# KiCad board Panel2.kicad_pcb (continued)
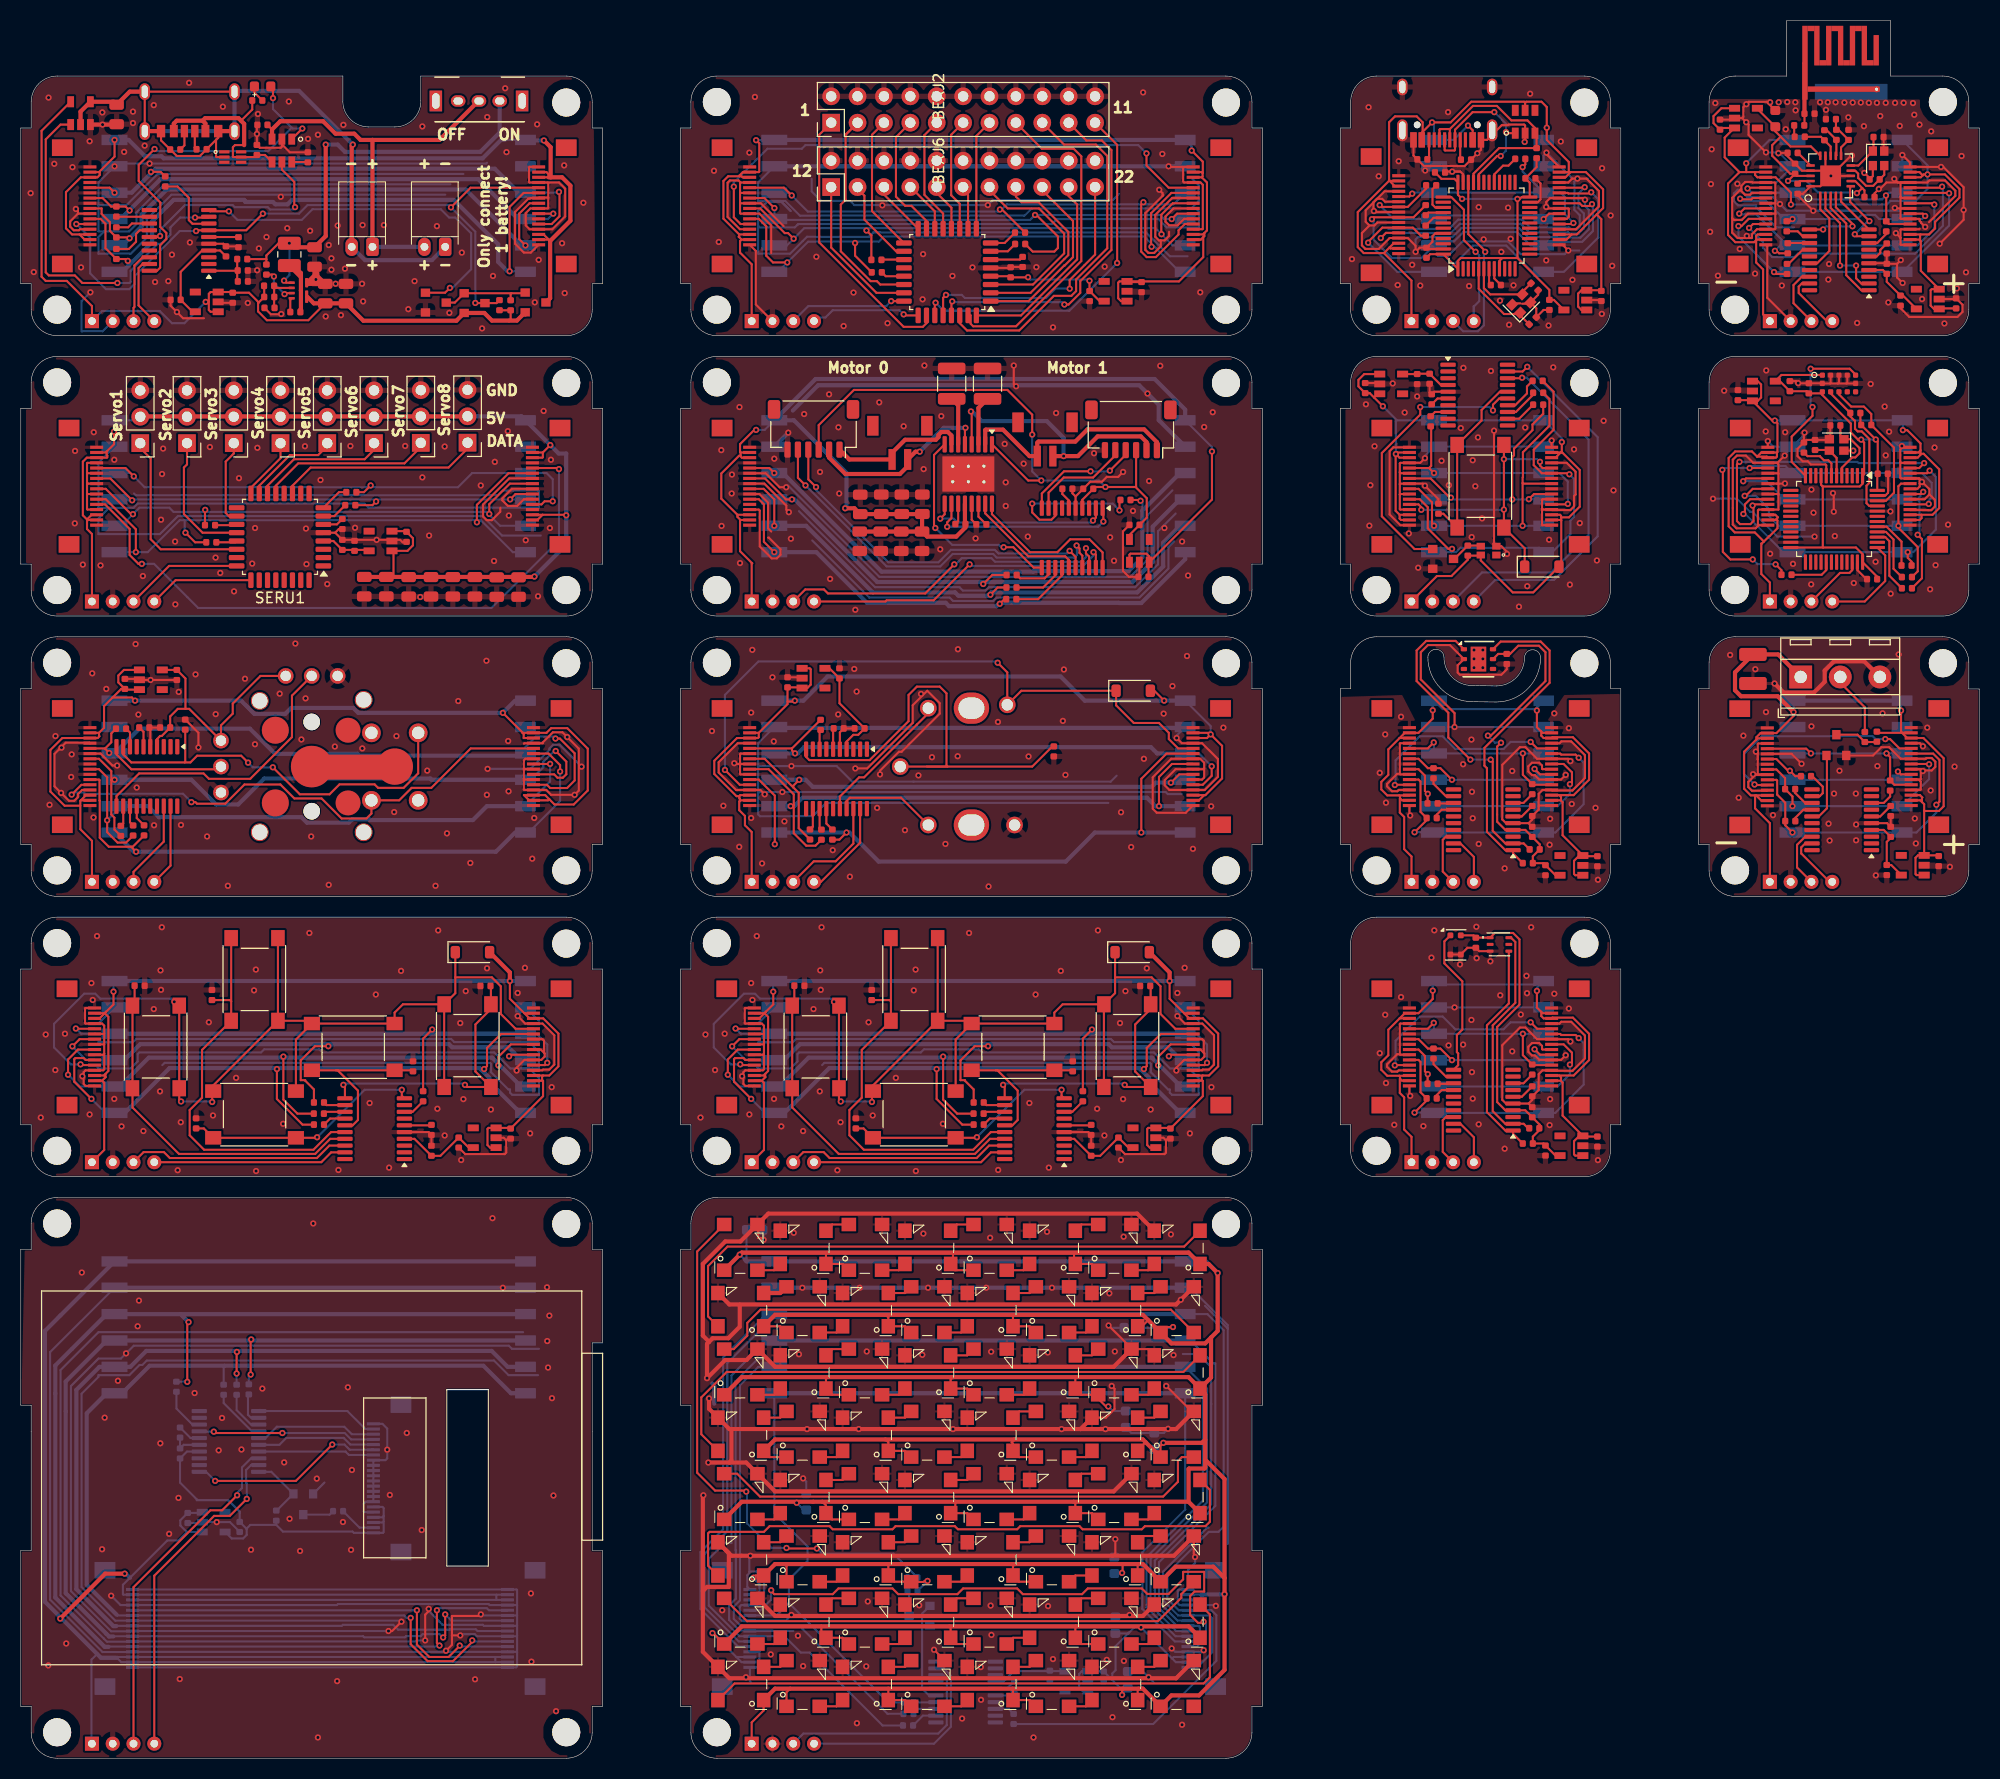
[diagram p0: board, top side]
## Routing (per net, layer and track width the routed paths; a pad name or vN(x,y) marks a point on that pad's centre or on a via; arc(x,y) is an arc through that point) (continued)
BEX_P8: length 18.3
  Top w0.2: BEXU1.2 97.19,141.12 100.83,144.76 100.83,146.99 97.97,149.85 96.33,149.85 95.78,150.4 95.78,151
BEX_P9: length 17.3
  Top w0.2: BEXU1.1 97,140.32 100.42,143.75 100.47,143.75 101.28,144.56 101.28,148.04 98.32,151
BEX_P10: length 18.9
  Top w0.2: BEXU1.32 96.28,138.95 101.67,144.35 101.67,149.62 100.86,150.44 100.86,151
BEX_P11: length 26.6
  Top w0.2: 78,157.5 76.85,156.35 76.85,145.97 84.97,137.85 86.82,137.85 87.17,138.2 BEXU1.26
BEX_P12: length 22.1
  Top w0.2: BEXJ2.3 79.39,156.36 79.39,150.1 79.39,150.09 78.92,149.62 78.92,145.12 81.8,142.25 82.4,142.25 82.72,141.93 BEXU1.22 ; 80.54,157.5 79.39,156.35
BEX_P13: length 13.3
  Top w0.2: 83.08,157.5 81.93,156.35 81.93,149 BEXU1.17
BEX_P14: length 12.3
  Top w0.2: 85.62,157.5 84.23,156.12 84.23,150.39 85.12,149.5 85.72,149.5 87.17,148.05 BEXU1.15
BEX_P15: length 11.4
  Top w0.2: 88.16,157.5 86.97,156.31 86.97,150.56 88.78,148.76 88.78,147.3
BEX_P16: length 11
  Top w0.2: 90.7,157.5 89.55,156.35 89.55,150.53 89.56,150.53 89.55,150.52 90.38,149.7 BEXU1.11
BEX_P17: length 10.7
  Top w0.2: BEXU1.9 91.97,156.24 93.24,157.5
BEX_P18: length 32.1
  Top w0.2: 95.78,157.5 98.28,155 101.34,155 102.08,154.27 102.08,144.18 95.79,137.9 91.67,137.9 91.42,138.15 91.42,138.95 BEXU1.31
BEX_P19: length 35.6
  Top w0.2: 98.32,157.5 100.42,155.4 103.48,155.4 104.58,154.31 104.58,145.41 101.58,142.41 101.58,141.29 101.12,140.83 99.43,140.83 96.1,137.5 91.08,137.5 90.38,138.2 BEXU1.30
BEX_P20: length 34.5
  Top w0.2: v1(89.65,140.3) 89.58,140.22 BEXU1.29 ; 100.86,157.5 102.56,155.8 104.05,155.8 104.97,154.88 104.97,145.25 101.98,142.25 101.98,141.13 100.85,140 v1(100.45,140)
  Bottom w0.2: v1(100.45,140) 100.22,140.22 89.72,140.22 v1(89.65,140.3)
BEX_P21: length 25.4
  Top w0.2: 103.41,151.31 103.41,144.81 100.96,142.36 v1(100.96,141.52) ; v1(89.05,140.93) 88.78,140.65 88.78,138.95 88.87,139.05
  Bottom w0.2: v1(89.05,140.93) 90.58,140.93 90.88,140.62 98.67,140.62 99.57,141.52 v1(100.96,141.52)
BEX_P22: length 35.3
  Top w0.2: v1(88.05,140.18) 87.97,140.1 BEXU1.27 ; 103.4,157.5 105.53,155.38 v1(105.53,144)
  Bottom w0.2: v1(88.05,140.18) 88.83,139.4 100.92,139.4 v1(105.53,144)
BEX_PS: length 60.8
  Top w0.2: v1(74.2,150.5) 73.45,151.25 BEXJ5.5 ; v1(94.24,149.15) 94.44,149.15 BEXR8.2 ; BEXJ7.5 112.04,147.75 111.44,147.15 111.44,146.75 109.25,144.56 108.37,144.56 107.84,145.1 107.84,149.64 v1(108.05,149.85)
  Bottom w0.2: 108.35,149.65 94.9,149.65 94.4,149.15 v1(94.24,149.15) 94.04,148.95 75.75,148.95 v1(74.2,150.5) 73.93,150.77 BEXJ1.3 ; 108.35,149.65 110.95,149.65 BEXJ3.4 ; 108.35,149.65 108.25,149.65 v1(108.05,149.85)
BEX_SCLK: length 54
  Top w0.2: BEXJ5.7 71.58,150.25 v1(72.54,149.29) ; BEXR5.2 97.4,145.1 99.48,145.1 99.83,145.45 99.83,146.55 97.75,148.62 v1(97.62,148.62) ; BEXJ7.7 111.3,148.75 v1(110.78,148.23)
  Bottom w0.2: BEXJ3.3 v1(110.78,148.23) 110.05,148.23 109.66,148.62 v1(97.62,148.62) ; 97.6,148.43 97.62,148.45 v1(97.62,148.62) ; v1(72.54,149.29) 72.54,148.24 BEXJ1.4 72.61,148.15 97.15,148.15 v1(97.62,148.62)
BEX_SWDCLK: length 10.7
  Top w0.2: BEXU1.25 85.08,138.95 v1(84.97,139.05)
  Bottom w0.2: BEXJ4.4 76.7,138.75 77.45,138.75 78.15,139.45 84.58,139.45 v1(84.97,139.05)
BEX_SWDIO: length 11.4
  Top w0.2: BEXU1.24 v1(83.78,140.32)
  Bottom w0.2: v1(83.78,140.32) 83.3,139.85 75.8,139.85 BEXJ4.3
BEX_VDD: length 12.6
  Top w0.2: BEXU1.4 95.17,142.72 BEXC4.1 96.94,142.62 v1(96.95,142.62) ; 102.88,141.3 103.84,140.32 BEXU2.5 ; 102.88,141.3 102.86,141.31 v1(102.86,142.29) ; 102.88,141.3 102.83,141.25
  Bottom w0.2: v1(96.95,142.62) 97.17,142.4 102.75,142.4 v1(102.86,142.29)
BLK_5V: length 92.8
  Top w0.2: BLKJ4.1 71.53,58.58 71.53,65.05 71.33,65.25 ; 111.97,71.75 110.58,73.14 v1(110.58,74.85) ; 111.97,71.75 BLKJ3.15 ; 111.97,71.75 112.47,71.25 BLKJ3.14 113.79,71.25 115.25,69.79 115.25,66.64 114.36,65.75 113.77,65.75 ; 71.33,65.25 71.67,65.6 71.65,65.63 71.65,65.9 ; 71.33,65.25 BLKJ5.15 ; BLKU2.1 108.67,58.81 108.42,59.06 108.42,60.61 108.52,60.7 BLKU2.3 110.58,60.7 BLKC8.1 113.77,63.76 113.77,65.23 113.67,65.33 ; 71.72,71.89 72.42,72.59 v1(72.42,73.83) ; 71.72,71.89 71.08,71.25 BLKJ5.3 ; 71.72,71.89 71.58,71.75 ; 71.58,71.75 71.93,71.4 71.93,66.18 71.65,65.9 ; 71.58,71.75 BLKJ5.2 ; 113.67,65.33 113.6,65.25 BLKJ3.2 ; 113.67,65.33 113.67,65.66 113.77,65.75 ; 113.77,65.75 BLKJ3.3 ; 71.65,65.9 71.5,65.75 BLKJ5.14
  Top w0.4: BLKD2.2 110.58,75.67 v1(110.58,74.85)
  Bottom w0.2: v1(72.42,73.83) 72.42,74.75 BLKJ1.1
  Bottom w0.4: BLKJ1.1 v1(110.58,74.85) BLKJ2.6
BLK_GND: length 181.8
  Top w0.2: 113.86,67.94 113.86,69.11 113.72,69.25 BLKJ3.10 ; 113.86,67.94 113.93,67.87 113.93,67.58 113.6,67.25 BLKJ3.6 111.97,67.25 111.22,66.5 v1(111.22,66.23) ; 113.86,67.94 113.55,68.25 BLKJ3.8 ; 110.22,59.51 109.98,59.75 BLKU2.2 ; 110.22,59.51 110.22,58.33 110.08,58.18 106.28,58.18 BLKC9.2 ; 110.22,59.51 110.39,59.67 BLKC8.2 ; BLKJ5.10 71.43,67.75 71.53,67.85 ; 69.55,65.55 69.55,64.93 69.73,64.75 BLKJ5.16 ; 69.55,65.55 69.55,66.07 69.73,66.25 BLKJ5.13 71.43,66.25 71.53,66.35 71.53,67.85 ; 69.55,65.55 v1(69.42,65.67) ; 71.53,67.85 71.53,68.78 ; BLKJ3.4 113.7,66.25 113.77,66.32 114.37,66.32 114.85,66.8 114.85,69.62 113.72,70.75 BLKJ3.13 112.05,70.75 v1(111.33,71.47) ; 71.53,68.78 71.5,68.75 BLKJ5.8 ; 71.53,68.78 71.53,69.75 ; BLKC2.2 BLKC1.2 102.75,60.3 BLKU3.5 ; BLKJ5.6 71.53,69.75 ; 71.53,69.75 71.53,70.55 71.33,70.75 BLKJ5.4 69.73,70.75 69.68,70.8 69.68,72.2 69.73,72.25 BLKJ5.1
  Bottom w0.2: 111.65,66.43 112.44,66.43 113.38,65.49 113.38,63.89 110.8,63.89 110.59,64.1 110.59,64.4 110.43,64.4 108.77,66.07 108.77,66.87 108.66,66.97 77.34,66.97 77.12,66.75 ; 111.65,66.43 113.38,66.43 113.38,68.03 112.44,68.97 111.65,68.97 ; 111.65,66.43 110.61,66.43 109.08,67.97 92.53,67.97 92.22,68.27 86.92,68.27 86.62,67.97 74.91,67.97 74.76,67.82 74.76,67.11 74.08,66.43 70.97,66.43 70.88,66.53 ; 113.38,71.01 BLKJ2.5 111.33,71.56 v1(111.33,71.47) ; 111.65,68.97 113.38,68.97 ; 111.65,68.97 105.22,68.97 104.92,69.27 74.62,69.27 74.3,68.95 71,68.95 70.97,68.97 ; BLKJ1.2 70.97,70.76
  vias: v1(65.42,61.7) v1(65.9,69.7) v1(66.83,66.28) v1(67.75,69.78) v1(70.12,62) v1(70.3,74.65) v1(70.42,73.03) v1(70.84,79.18) v1(72.5,63.5) v1(73.2,60.85) v1(75.3,60.4) v1(76.3,72.15) v1(76.9,64.22) v1(76.95,75.88) v1(77,74) v1(77.08,80.03) v1(78.6,56.62) v1(78.9,61.25) v1(81.6,70.88) v1(82,61.9) v1(84.22,65.53) v1(85.95,73.95) v1(86.12,75.95) v1(86.15,56.55) v1(88.75,61.1) v1(91.28,79.47) v1(94.08,56.65) v1(97.08,63.1) v1(97.67,73.55) v1(98.95,56.88) v1(100.1,75.83) v1(103.6,62.55) v1(103.67,79.72) v1(104.3,59.97) v1(105.8,70.8) v1(105.89,57.61) v1(106.1,63.47) v1(106.33,73.88) v1(108.38,76.08) v1(108.75,62.47) v1(111.33,73.7) v1(112.03,76.12) v1(112.53,60.17) v1(114.6,64.62)
BLK_Interrupt5V: length 100.5
  Top w0.2: v1(81.92,63.2) 81.92,64.16 BLKSW4.2 82.02,64.79 BLKSW2.2 ; 105.33,75.2 108.84,75.2 109.7,74.34 109.7,71.67 111.12,70.25 BLKJ3.12 ; 105.33,75.2 105.33,73.68 BLKSW6.2 ; 105.33,75.2 BLKD2.1 ; BLKSW2.2 BLKSW2.2 ; BLKSW2.2 91.25,71.02 BLKSW3.2 ; BLKSW4.2 89.98,69.21 BLKSW3.2 ; BLKSW6.2 100.28,72.61 99.48,71.81 BLKSW3.2 BLKSW3.2 ; BLKSW6.2 BLKSW6.2 ; v1(78.92,63.25) 78.75,63.42 BLKSW1.2 BLKSW1.2 78.64,72.48 v1(78.28,72.85) ; BLKJ5.12 69.33,66.75 v1(69.25,66.83)
  Bottom w0.2: v1(81.92,63.2) 81.88,63.25 v1(78.92,63.25) ; v1(78.28,72.85) 77.97,73.15 71.15,73.15 70.67,73.62 69.6,73.62 66.7,70.72 66.7,68.45 68.33,66.83 v1(69.25,66.83)
BLK_MISO: length 63.5
  Top w0.2: v1(109.47,66.72) 109.47,67.55 110.67,68.75 BLKJ3.9 ; BLKR4.2 90.13,62.08 88.78,63.43 v1(88.78,67.57) ; BLKJ5.9 69.01,68.25 68.05,67.29 v1(68.05,65.83)
  Bottom w0.2: BLKJ1.5 69.19,64.69 v1(68.05,65.83)
  Bottom w0.4: BLKJ1.5 73.04,64.69 75.82,67.47 108.87,67.47 111.65,64.69 BLKJ2.2
BLK_MOSI: length 68.3
  Top w0.2: v1(70.3,63.5) 68.65,65.15 68.65,67.33 68.75,67.42 69.56,67.42 69.73,67.25 BLKJ5.11 ; v1(108.1,66.37) 108.38,66.65 108.38,68.4 109.72,69.75 BLKJ3.11 ; BLKR2.2 90.62,61.02 88.15,63.49 v1(88.15,66.37)
  Bottom w0.2: 107.86,66.26 107.97,66.37 v1(108.1,66.37) ; v1(88.15,66.37) 88.15,66.5 88.22,66.57 88.53,66.57 88.62,66.47 ; BLKJ1.6 71.65,62.15 v1(70.3,63.5)
  Bottom w0.4: BLKJ1.6 73.5,62.15 77.83,66.47 107.66,66.47 108.6,65.53 108.6,65.12 111.58,62.15 BLKJ2.1
BLK_Net-(U3-NRST): length 2.6
  Top w0.2: BLKC1.1 102.98,60.95 BLKU3.6
BLK_Net-(U3-PA1): length 2.2
  Top w0.2: BLKU3.8 101.21,62.25 BLKR1.1
BLK_Net-(U3-PA5): length 2.1
  Top w0.2: BLKU3.12 92.94,62.9 BLKR3.1
BLK_Net-(U3-PA6): length 2.1
  Top w0.2: BLKR4.1 92.85,62.25 BLKU3.13
BLK_Net-(U3-PA7): length 2.3
  Top w0.2: BLKR2.1 93.27,61.6 BLKU3.14
BLK_PS: length 57.7
  Top w0.2: BLKR1.2 102.22,69.3 v1(103.1,70.17) ; BLKJ3.5 113.95,66.75 v1(114.17,66.97) ; BLKJ5.5 68.83,70.25 v1(68.8,70.28)
  Bottom w0.2: v1(68.8,70.28) 69.31,69.77 BLKJ1.3 ; v1(103.1,70.17) 103.1,69.82 103.15,69.77 ; v1(114.17,66.97) 114.17,68.74 113.14,69.77 BLKJ2.4
  Bottom w0.4: BLKJ1.3 BLKJ2.4
BLK_SCLK: length 59.6
  Top w0.2: BLKJ5.7 69.16,69.25 v1(68.47,68.56) ; v1(110.5,67.6) 110.65,67.75 BLKJ3.7 ; v1(93.1,68.57) 91.81,68.57 90.44,67.2 90.44,65.3 90.88,65.3 90.88,65.25 91.72,64.41 BLKR3.2
  Bottom w0.2: v1(68.47,68.56) 69.8,67.23 BLKJ1.4 ; 110.92,67.97 110.55,67.6 v1(110.5,67.6)
  Bottom w0.4: 93.67,68.77 75,68.77 73.46,67.23 BLKJ1.4 ; 93.67,68.77 93.3,68.77 v1(93.1,68.57) ; 93.67,68.77 104.72,68.77 105.02,68.47 110.43,68.47 111.67,67.23 BLKJ2.3
BLK_SW1: length 38.8
  Top w0.2: BLKU3.16 93.37,60.3 91.67,58.6 81.14,58.6 79.75,59.99 79.75,62.42 80.94,63.61 80.94,68.22 BLKSW2.1 83.75,72.9 ; 83.75,72.9 83.64,73.02 BLKR5.2 ; 83.75,72.9 BLKSW2.1
BLK_SW2: length 34.7
  Top w0.2: BLKR6.2 74.45,72.81 74.25,72.6 BLKSW1.1 BLKSW1.1 74.25,62.67 78.72,58.2 91.83,58.2 93.28,59.65 BLKU3.17
BLK_SW3: length 26.7
  Top w0.2: v1(106.25,64.85) 106.45,64.64 BLKSW6.1 107.26,66.14 107.26,70.67 108.75,72.16 BLKSW6.1 108.75,74.33 BLKR7.2 ; BLKU3.11 94.7,64.7 v1(94.55,64.85)
  Bottom w0.2: v1(106.25,64.85) 106.12,64.97 94.67,64.97 v1(94.55,64.85)
BLK_SW4: length 17
  Top w0.2: 93.85,66.25 BLKSW3.1 ; 93.85,66.25 94,66.25 95.95,64.3 95.95,61.46 95.44,60.95 BLKU3.15 ; 93.85,66.25 BLKSW3.1 101.15,66.25 BLKR9.2
BLK_SW5: length 23
  Top w0.2: v1(100.17,64.38) 100.17,63.8 BLKU3.10 ; BLKR8.2 81.11,60.66 BLKSW4.1 BLKSW4.1 91.97,59.75 v1(92.02,59.8)
  Bottom w0.2: v1(100.17,64.38) 96.6,64.38 v1(92.02,59.8)
BLK_SWDCLK: length 18.7
  Top w0.2: BLKU3.19 93.38,58.35 92.42,57.4 BLKJ4.4
BLK_SWDIO: length 21.5
  Top w0.2: BLKJ4.3 75.33,58.38 77.28,58.38 77.85,57.8 92,57.8 93.2,59 BLKU3.18
BLK_VDD: length 8.4
  Top w0.2: BLKU3.4 101.39,59.65 BLKC2.1 103.89,58.02 BLKC9.1 106.62,58.81 BLKU2.5
BTS_5V: length 92.8
  Top w0.2: BTSJ4.1 8.03,58.58 8.03,65.05 7.83,65.25 ; 48.47,71.75 47.08,73.14 v1(47.08,74.85) ; 48.47,71.75 BTSJ3.15 ; 48.47,71.75 48.97,71.25 BTSJ3.14 50.29,71.25 51.75,69.79 51.75,66.64 50.86,65.75 50.27,65.75 ; 7.83,65.25 8.18,65.6 8.15,65.63 8.15,65.9 ; 7.83,65.25 BTSJ5.15 ; BTSU2.1 45.17,58.81 44.92,59.06 44.92,60.61 45.02,60.7 BTSU2.3 47.09,60.7 BTSC8.1 50.27,63.76 50.27,65.23 50.17,65.33 ; 8.21,71.89 8.93,72.59 v1(8.93,73.83) ; 8.21,71.89 7.58,71.25 BTSJ5.3 ; 8.21,71.89 8.08,71.75 ; 8.08,71.75 8.43,71.4 8.43,66.18 8.15,65.9 ; 8.08,71.75 BTSJ5.2 ; 50.17,65.33 50.1,65.25 BTSJ3.2 ; 50.17,65.33 50.17,65.66 50.27,65.75 ; 50.27,65.75 BTSJ3.3 ; 8.15,65.9 8,65.75 BTSJ5.14
  Top w0.4: BTSD2.2 47.08,75.67 v1(47.08,74.85)
  Bottom w0.2: v1(8.93,73.83) 8.93,74.75 BTSJ1.1
  Bottom w0.4: BTSJ1.1 v1(47.08,74.85) 48.58,74.85
BTS_GND: length 181.8
  Top w0.2: 50.36,67.94 50.36,69.11 50.22,69.25 BTSJ3.10 ; 50.36,67.94 50.43,67.87 50.43,67.58 50.1,67.25 BTSJ3.6 48.47,67.25 47.73,66.5 v1(47.73,66.23) ; 50.36,67.94 50.05,68.25 BTSJ3.8 ; 46.73,59.51 46.48,59.75 BTSU2.2 ; 46.73,59.51 46.73,58.33 46.58,58.18 42.77,58.18 BTSC9.2 ; 46.73,59.51 46.88,59.67 BTSC8.2 ; BTSJ5.10 7.93,67.75 8.03,67.85 ; 6.05,65.55 6.05,64.93 6.23,64.75 BTSJ5.16 ; 6.05,65.55 6.05,66.07 6.23,66.25 BTSJ5.13 7.93,66.25 8.03,66.35 8.03,67.85 ; 6.05,65.55 v1(5.92,65.67) ; 8.03,67.85 8.03,68.78 ; BTSJ3.4 50.2,66.25 50.27,66.32 50.87,66.32 51.35,66.8 51.35,69.62 50.22,70.75 BTSJ3.13 48.55,70.75 v1(47.83,71.47) ; 8.03,68.78 8,68.75 BTSJ5.8 ; 8.03,68.78 8.03,69.75 ; BTSC2.2 BTSC1.2 39.25,60.3 BTSU3.5 ; BTSJ5.6 8.03,69.75 ; 8.03,69.75 8.03,70.55 7.83,70.75 BTSJ5.4 6.23,70.75 6.18,70.8 6.18,72.2 6.23,72.25 7.11,72.25
  Bottom w0.2: 48.15,66.43 48.94,66.43 49.88,65.49 49.88,63.89 47.3,63.89 47.09,64.1 47.09,64.4 46.93,64.4 45.27,66.07 45.27,66.87 45.16,66.97 13.85,66.97 13.62,66.75 ; 48.15,66.43 49.88,66.43 49.88,68.03 48.94,68.97 48.15,68.97 ; 48.15,66.43 47.12,66.43 45.58,67.97 29.02,67.97 28.73,68.27 23.43,68.27 23.12,67.97 11.41,67.97 11.26,67.82 11.26,67.11 10.57,66.43 7.47,66.43 7.38,66.53 ; 49.88,71.01 48.58,72.31 47.83,71.56 v1(47.83,71.47) ; 48.15,68.97 49.88,68.97 ; 48.15,68.97 41.73,68.97 41.42,69.27 11.12,69.27 10.8,68.95 7.5,68.95 7.47,68.97 ; BTSJ1.2 7.47,70.76
  vias: v1(1.93,61.7) v1(2.4,69.7) v1(3.33,66.28) v1(4.25,69.78) v1(6.62,62) v1(6.8,74.65) v1(6.92,73.03) v1(7.34,79.18) v1(9,63.5) v1(9.7,60.85) v1(11.8,60.4) v1(12.8,72.15) v1(13.45,75.88) v1(13.4,64.22) v1(13.5,74) v1(13.57,80.03) v1(15.1,56.62) v1(15.4,61.25) v1(18.1,70.88) v1(18.5,61.9) v1(20.73,65.53) v1(22.45,73.95) v1(22.62,75.95) v1(22.65,56.55) v1(25.25,61.1) v1(27.77,79.47) v1(30.57,56.65) v1(33.58,63.1) v1(34.17,73.55) v1(35.45,56.88) v1(36.6,75.83) v1(40.1,62.55) v1(40.17,79.72) v1(40.8,59.97) v1(42.3,70.8) v1(42.39,57.61) v1(42.6,63.47) v1(42.83,73.88) v1(44.88,76.08) v1(45.25,62.47) v1(47.83,73.7) v1(48.52,76.12) v1(49.02,60.17) v1(51.1,64.62)
BTS_Interrupt5V: length 100.5
  Top w0.2: v1(18.43,63.2) 18.43,64.16 BTSSW4.2 18.52,64.79 BTSSW2.2 ; 41.83,75.2 45.34,75.2 46.2,74.34 46.2,71.67 47.62,70.25 BTSJ3.12 ; 41.83,75.2 41.83,73.68 BTSSW6.2 ; 41.83,75.2 BTSD2.1 ; BTSSW2.2 BTSSW2.2 ; BTSSW2.2 27.75,71.02 BTSSW3.2 ; BTSSW4.2 26.48,69.21 BTSSW3.2 ; BTSSW6.2 36.78,72.61 35.98,71.81 BTSSW3.2 BTSSW3.2 ; BTSSW6.2 BTSSW6.2 ; v1(15.43,63.25) 15.25,63.42 BTSSW1.2 BTSSW1.2 15.14,72.48 v1(14.78,72.85) ; BTSJ5.12 5.83,66.75 v1(5.75,66.83)
  Bottom w0.2: v1(18.43,63.2) 18.38,63.25 v1(15.43,63.25) ; v1(14.78,72.85) 14.47,73.15 7.65,73.15 7.17,73.62 6.1,73.62 3.2,70.72 3.2,68.45 4.83,66.83 v1(5.75,66.83)
BTS_MISO: length 63.5
  Top w0.2: v1(45.97,66.72) 45.97,67.55 47.17,68.75 BTSJ3.9 ; 28.2,62.08 26.63,62.08 25.27,63.43 v1(25.27,67.57) ; BTSJ5.9 5.51,68.25 4.55,67.29 v1(4.55,65.83)
  Bottom w0.2: BTSJ1.5 5.68,64.69 v1(4.55,65.83)
  Bottom w0.4: BTSJ1.5 9.54,64.69 12.32,67.47 45.37,67.47 48.15,64.69 48.58,64.69
BTS_MOSI: length 68.3
  Top w0.2: v1(6.8,63.5) 5.15,65.15 5.15,67.33 5.25,67.42 6.05,67.42 6.23,67.25 BTSJ5.11 ; v1(44.6,66.37) 44.88,66.65 44.88,68.4 46.23,69.75 BTSJ3.11 ; BTSR2.2 27.12,61.02 24.65,63.49 v1(24.65,66.37)
  Bottom w0.2: 44.36,66.26 44.47,66.37 v1(44.6,66.37) ; v1(24.65,66.37) 24.65,66.5 24.72,66.57 25.02,66.57 25.12,66.47 ; BTSJ1.6 8.15,62.15 v1(6.8,63.5)
  Bottom w0.4: BTSJ1.6 10.01,62.15 14.32,66.47 44.16,66.47 45.1,65.53 45.1,65.12 48.08,62.15 48.58,62.15
BTS_Net-(U3-NRST): length 2.6
  Top w0.2: BTSC1.1 39.48,60.95 BTSU3.6
BTS_Net-(U3-PA1): length 2.2
  Top w0.2: BTSU3.8 37.71,62.25 BTSR1.1
BTS_Net-(U3-PA5): length 2.1
  Top w0.2: BTSU3.12 29.43,62.9 BTSR3.1
BTS_Net-(U3-PA6): length 2.1
  Top w0.2: BTSR4.1 29.35,62.25 BTSU3.13
BTS_Net-(U3-PA7): length 2.3
  Top w0.2: BTSR2.1 29.77,61.6 BTSU3.14
BTS_PS: length 57.7
  Top w0.2: BTSR1.2 38.73,69.3 v1(39.6,70.17) ; BTSJ3.5 50.45,66.75 v1(50.67,66.97) ; BTSJ5.5 5.33,70.25 v1(5.3,70.28)
  Bottom w0.2: v1(5.3,70.28) 5.8,69.77 BTSJ1.3 ; v1(39.6,70.17) 39.6,69.82 39.65,69.77 ; v1(50.67,66.97) 50.67,68.74 49.64,69.77 48.58,69.77
  Bottom w0.4: BTSJ1.3 48.58,69.77
BTS_SCLK: length 59.6
  Top w0.2: BTSJ5.7 5.66,69.25 v1(4.97,68.56) ; v1(47,67.6) 47.15,67.75 BTSJ3.7 ; v1(29.6,68.57) 28.32,68.57 26.95,67.2 26.95,65.3 27.38,65.3 27.38,65.25 28.21,64.41 BTSR3.2
  Bottom w0.2: v1(4.97,68.56) 6.29,67.23 BTSJ1.4 ; 47.42,67.97 47.05,67.6 v1(47,67.6)
  Bottom w0.4: 30.18,68.77 11.5,68.77 9.96,67.23 BTSJ1.4 ; 30.18,68.77 29.8,68.77 v1(29.6,68.57) ; 30.18,68.77 41.22,68.77 41.52,68.47 46.93,68.47 48.17,67.23 48.58,67.23
BTS_SW1: length 38.8
  Top w0.2: BTSU3.16 29.87,60.3 28.17,58.6 17.64,58.6 16.26,59.99 16.26,62.42 17.45,63.61 17.45,68.22 BTSSW2.1 20.25,72.9 ; 20.25,72.9 20.14,73.02 BTSR5.2 ; 20.25,72.9 BTSSW2.1
BTS_SW2: length 34.7
  Top w0.2: BTSR6.2 10.96,72.81 10.75,72.6 BTSSW1.1 BTSSW1.1 10.75,62.67 15.22,58.2 28.33,58.2 29.78,59.65 BTSU3.17
BTS_SW3: length 26.7
  Top w0.2: v1(42.75,64.85) 42.95,64.64 BTSSW6.1 43.76,66.14 43.76,70.67 45.25,72.16 BTSSW6.1 45.25,74.33 BTSR7.2 ; BTSU3.11 31.2,64.7 v1(31.05,64.85)
  Bottom w0.2: v1(42.75,64.85) 42.62,64.97 31.18,64.97 v1(31.05,64.85)
BTS_SW4: length 17
  Top w0.2: 30.35,66.25 BTSSW3.1 ; 30.35,66.25 30.5,66.25 32.45,64.3 32.45,61.46 31.94,60.95 BTSU3.15 ; 30.35,66.25 BTSSW3.1 37.65,66.25 BTSR9.2
BTS_SW5: length 23
  Top w0.2: v1(36.67,64.38) 36.67,63.8 BTSU3.10 ; BTSR8.2 17.61,60.66 BTSSW4.1 BTSSW4.1 28.47,59.75 v1(28.52,59.8)
  Bottom w0.2: v1(36.67,64.38) 33.1,64.38 v1(28.52,59.8)
BTS_SWDCLK: length 18.7
  Top w0.2: BTSU3.19 29.88,58.35 28.93,57.4 BTSJ4.4
BTS_SWDIO: length 21.5
  Top w0.2: BTSJ4.3 11.82,58.38 13.78,58.38 14.35,57.8 28.5,57.8 29.7,59 BTSU3.18
BTS_VDD: length 8.4
  Top w0.2: BTSU3.4 37.89,59.65 BTSC2.1 40.39,58.02 BTSC9.1 43.12,58.81 BTSU2.5
BUT_5V: length 77.7
  Top w0.2: BUTJ4.1 136.3,113.85 137.7,113.85 139.28,115.42 BUTR6.1 140.47,115.81 BUTD2.2 140.53,115.35 143.6,112.28 145.57,112.28 BUTD3.2 148.27,114.97 148.27,119.2 ; v1(132.35,125.6) 132.33,125.58 132.33,120.13 132.71,119.75 ; v1(132.35,125.6) 132.7,125.25 BUTJ1.3 ; v1(132.35,125.6) 132.5,125.75 BUTJ1.2 ; v1(148.32,126.75) 148.32,125.85 148.22,125.75 ; BUTJ3.3 148.15,119.75 148.25,119.65 148.25,119.5 ; v1(131.1,130.2) 130.25,131.05 ; 130.25,131.05 130.6,131.4 BUTU2.3 ; 130.25,131.05 129.84,131.47 BUTC8.1 128.75,132.12 128.75,132.74 129.31,133.3 BUTU2.1 ; BUTJ3.14 147.72,125.25 148.22,125.75 ; 148.22,125.75 148.36,125.75 150.05,124.06 150.05,120.54 149.01,119.5 148.25,119.5 ; 148.22,125.75 BUTJ3.15 ; 148.27,119.2 148.27,119.48 148.25,119.5 ; 148.27,119.2 148.22,119.25 BUTJ3.2 ; BUTJ1.14 132.71,119.75 ; 132.71,119.75 132.71,119.39 132.85,119.25 BUTJ1.15
  Bottom w0.2: v1(132.35,125.6) 132.35,128.75 132.45,128.85 ; BUTJ2.1 BUTJ5.6 148.32,127.1 v1(148.32,126.75) ; BUTJ2.1 135.6,128.85 ; BUTJ2.1 132.45,128.85 ; 132.45,128.85 v1(131.1,130.2)
BUT_GND: length 69.6
  Top w0.2: BUTJ3.13 148.8,124.75 149.65,123.9 149.65,121.7 149.5,121.55 149.5,120.55 149.15,120.2 147.4,120.2 BUTJ3.4 146.52,120.25 146.42,120.35 ; 132.73,123.85 132.73,124.7 132.78,124.75 BUTJ1.4 134.7,124.75 v1(135.15,125.2) ; 132.73,123.85 132.73,122.7 ; 132.73,123.85 132.83,123.75 BUTJ1.6 ; v1(147.35,126.9) 147.34,126.9 BUTJ3.16 ; BUTU2.2 130.72,132.44 BUTC8.2 ; BUTJ1.16 132.78,118.75 131.75,119.78 131.75,125.88 132.12,126.25 BUTJ1.1 ; BUTU3.5 136.04,131.6 BUTC1.2 135.6,131.56 135.6,132.37 ; BUTJ1.13 132.78,120.25 132.73,120.3 132.73,121.7 ; BUTJ3.6 146.47,121.25 146.42,121.2 146.42,120.35 ; BUTJ1.10 132.78,121.75 132.73,121.7 ; 143.05,116.19 v1(143.05,115.97) 143.05,116.17 142.5,116.72 BUTD2.3 141.8,116.95 v1(141.8,127.85) ; 132.73,121.7 132.73,122.7 ; 132.73,122.7 132.78,122.75 BUTJ1.8 134.95,122.75 v1(135.15,122.55) 136.45,121.25 BUTR5.1 ; 146.42,120.35 146.42,118.8 146.47,118.75 BUTJ3.1
  Bottom w0.2: v1(135.15,125.2) 135.15,125.44 BUTJ2.2 BUTJ5.5 147.17,126.9 v1(147.35,126.9)
  vias: v1(129.47,130.39) v1(129.8,118.7) v1(129.9,122.6) v1(130.3,126.35) v1(132.05,132.4) v1(133.2,129.6) v1(133.6,117.95) v1(134.4,131.15) v1(134.5,114.65) v1(136.75,124.95) v1(137.45,122.6) v1(138.6,128.1) v1(138.85,133.9) v1(139.65,117.6) v1(139.75,125) v1(140,122.5) v1(140.25,127.2) v1(140.65,119.4) v1(141.5,133.6) v1(144.2,110.9) v1(144.8,128.15) v1(145,112.88) v1(147.1,117.35) v1(147.5,133.95) v1(149.1,113.03) v1(149.5,126.05) v1(150.05,118.95) v1(151.7,115.35) v1(152.35,128.8) v1(153.3,122.1)
BUT_Interrupt5V: length 27.2
  Top w0.2: BUTD3.1 144.75,116.52 BUTSW2.2 v1(142.75,120.25) v1(142.75,125.1) BUTSW2.2 ; BUTJ1.12 134.53,120.75 134.8,120.48 v1(134.8,120.23) ; BUTJ3.12 146.47,124.25 146.22,124.5 v1(146.22,124.85)
  Bottom w0.2: v1(142.75,125.1) 145.97,125.1 v1(146.22,124.85) ; v1(134.8,120.23) 142.73,120.23 v1(142.75,120.25)
BUT_LED_DATA: length 27.6
  Top w0.2: v1(141.7,129.8) 141.7,130.35 142.3,130.95 BUTU3.15 ; BUTQ1.1 134.15,116.45 131,119.6 131,125.7 134.7,129.4 v1(134.7,130.12)
  Bottom w0.2: v1(141.7,129.8) 141.38,130.12 v1(134.7,130.12)
BUT_MISO: length 32.1
  Top w0.2: v1(136.03,118.69) 135.83,118.88 135.83,120.95 134.53,122.25 BUTJ1.9 ; BUTR4.2 147.13,130.91 147.13,128.32 144.58,125.77 144.58,123.38 ; BUTJ3.9 144.6,122.75 144.55,122.8 ; 144.55,123.35 144.55,122.8 ; 144.55,122.8 v1(144.55,118.69)
  Bottom w0.2: 136.43,118.69 v1(144.55,118.69) BUTJ5.2
BUT_MOSI: length 41
  Top w0.2: BUTR2.2 147.53,131.6 147.53,127.93 145.62,126.02 145.62,124.53 146.4,123.75 BUTJ3.11 148.95,123.75 v1(149.05,123.65) ; v1(137.76,116.47) 137.4,116.47 135.43,118.44 135.43,120.47 134.65,121.25 BUTJ1.11
  Bottom w0.2: v1(149.05,123.65) 149.5,123.2 149.5,119.55 149.15,119.2 149.15,117.9 147.4,116.15 BUTJ5.1 146.15,116.58 138.57,116.58 138.15,116.15 137.7,116.15 ; 137.7,116.15 137.76,116.21 v1(137.76,116.47) ; 137.7,116.15 BUTJ2.6
BUT_Net-(D2-DIN): length 3.2
  Top w0.2: BUTD2.4 140.47,116.78 BUTR6.2 137.99,115.5 BUTQ1.3
BUT_Net-(U3-NRST): length 1.8
  Top w0.2: BUTC1.1 136.37,130.95 BUTU3.6
BUT_Net-(U3-PA1): length 1.8
  Top w0.2: BUTR1.1 136.12,129.65 BUTU3.8
BUT_Net-(U3-PA5): length 3
  Top w0.2: BUTR3.1 144.22,129 BUTU3.12
BUT_Net-(U3-PA6): length 3.3
  Top w0.2: BUTR4.1 145.56,131.31 143.91,129.65 BUTU3.13
BUT_Net-(U3-PA7): length 3.8
  Top w0.2: BUTU3.14 143.84,130.3 144.97,131.43 144.97,132.1 BUTR2.1
BUT_PS: length 23.6
  Top w0.2: 135.54,124.25 v1(136.03,123.77) ; 135.54,124.25 BUTJ1.5 ; 135.54,124.25 135.75,124.45 135.75,128.22 BUTR1.2 ; v1(148.9,120.8) 148.85,120.75 BUTJ3.5
  Bottom w0.2: v1(148.9,120.8) 148.9,122.95 148.08,123.77 BUTJ5.4 v1(136.03,123.77)
BUT_SCLK: length 28.1
  Top w0.2: BUTJ3.7 145.65,121.75 v1(145.15,121.25) ; BUTJ1.7 135.7,123.25 137.55,121.4 v1(137.65,121.4) ; v1(143.55,121.23) 143.55,125.31 143.72,125.48 143.72,126.12 145.5,127.9 145.5,128.45 146.5,129.45 146.53,129.45 BUTR3.2
  Bottom w0.2: BUTJ2.4 145.13,121.23 v1(145.15,121.25) 146.56,121.25 BUTJ5.3
BUT_SW1: length 17.9
  Top w0.2: BUTU3.16 142.36,131.6 140.6,129.84 140.6,128.83 BUTSW2.1 BUTSW2.1 136.92,119.85 BUTR5.2
BUT_SWDCLK: length 35.7
  Top w0.2: v1(145,134) 144.55,133.55 BUTU3.19
  Bottom w0.2: v1(145,134) 151.77,127.23 151.77,117.67 147.57,113.47 141.93,113.47 BUTJ4.4
BUT_SWDIO: length 35.2
  Top w0.2: v1(144.5,132.95) 144.45,132.9 BUTU3.18
  Bottom w0.2: BUTJ4.3 140.65,114.2 147.3,114.2 150.9,117.8 150.9,127 144.95,132.95 v1(144.5,132.95)
BUT_VDD: length 4.8
  Top w0.2: BUTU2.5 BUTC9.1 134.44,133.34 BUTC2.1 136.69,132.25 BUTU3.4
DIA_5V: length 93.4
  Top w0.2: DIAJ1.2 71.03,98.75 ; 71.03,98.75 73.8,101.52 73.8,101.78 ; 71.03,98.75 71.03,98.33 70.95,98.25 DIAJ1.3 68.94,98.25 66.75,96.06 66.75,94.79 68.89,92.65 69.15,92.65 ; 73.8,101.78 DIAC8.1 75.14,103.13 DIAU2.3 75.7,103.06 76.03,103.39 76.03,104.87 75.93,104.97 DIAU2.1 ; 73.8,101.78 74.42,101.78 v1(74.5,101.85) ; v1(114.53,98.6) 114.17,98.25 DIAJ2.14 ; v1(114.53,98.6) 114.38,98.75 DIAJ2.15 ; v1(114.53,98.6) 115.62,97.5 115.62,94.36 114.02,92.75 113.9,92.75 ; 113.9,92.75 113.4,92.25 DIAJ2.2 ; 113.9,92.75 DIAJ2.3 ; DIAJ1.14 69.25,92.75 69.15,92.65 ; 69.15,92.65 69.15,92.47 69.2,92.42 69.2,92.17 ; v1(110.05,101.85) 109.1,102.8 108.72,102.8 ; DIAJ4.1 70.35,89.2 69.7,89.85 69.7,90.75 69.15,91.3 69.15,92.12 69.2,92.17 ; 69.2,92.17 69.28,92.25 DIAJ1.15
  Bottom w0.2: DIAJ5.6 114.53,99.4 v1(114.53,98.6)
  Bottom w0.4: DIAJ5.6 v1(110.05,101.85) 102.41,101.85 100.09,104.17 77.65,104.17 75.33,101.85 v1(74.5,101.85) DIAJ3.1
DIA_ENC_A: length 9.8
  Top w0.2: DIASW7.A 84.72,92.5 79.8,92.5 79.49,92.19 DIAU3.17
DIA_ENC_B: length 13.5
  Top w0.2: DIAU3.16 78.84,92.61 80.69,94.46 81.17,94.46 87.35,100.64 DIASW7.B
DIA_GND: length 235.6
  Top w0.2: DIAJ2.6 113.7,94.25 113.9,94.45 113.9,95.33 ; 113.9,95.33 113.83,95.25 DIAJ2.8 111.15,95.25 110.1,94.2 110.1,93.7 110.55,93.25 DIAJ2.4 113.95,93.25 115.22,94.53 115.22,96.22 113.7,97.75 DIAJ2.13 111.75,97.75 v1(111.25,98.25) ; 113.9,95.33 113.9,95.88 113.53,96.25 DIAJ2.10 110.73,96.25 108.95,94.47 108.95,91.44 109.34,91.05 112.12,91.05 DIAJ2.1 ; DIAJ1.8 68.75,95.75 v1(68.67,95.83) ; DIAJ1.4 69,97.75 67.17,95.92 67.17,94.93 68.85,93.25 DIAJ1.13 71.18,93.25 v1(71.6,92.83) ; DIAC2.2 DIAC1.2 78.84,98.8 DIAU3.5 ; DIAU2.2 75.11,104.1 DIAC8.2 ; DIAJ1.10 69.28,94.75 69.23,94.8 69.23,96.7 69.28,96.75 DIAJ1.6 ; v1(82.7,94.75) 82.7,95.11 84.52,96.93 84.78,96.93 88.45,100.6 88.45,101.6 87.25,102.8 85.85,101.4 85.85,99.71 81.47,95.33 v1(80.33,95.33)
  Bottom w0.2: 111.75,92.85 110.4,92.85 110.2,93.05 v1(73.3,93.05) 71.1,93.05 70.97,92.92 ; 70.97,95.55 70.97,97.76 DIAJ3.2 ; 70.97,95.55 70.97,92.92 ; 70.97,95.55 v1(74.17,95.55) 78.53,95.55 80.03,94.05 104.9,94.05 105.47,94.62 ; 70.97,92.92 70.97,90.89 71.14,90.72 76.22,90.72 77.5,92 104.67,92 ; DIAJ5.5 111.25,98.48 v1(111.25,98.25)